# KiCad board ZVE.kicad_pcb (continued)
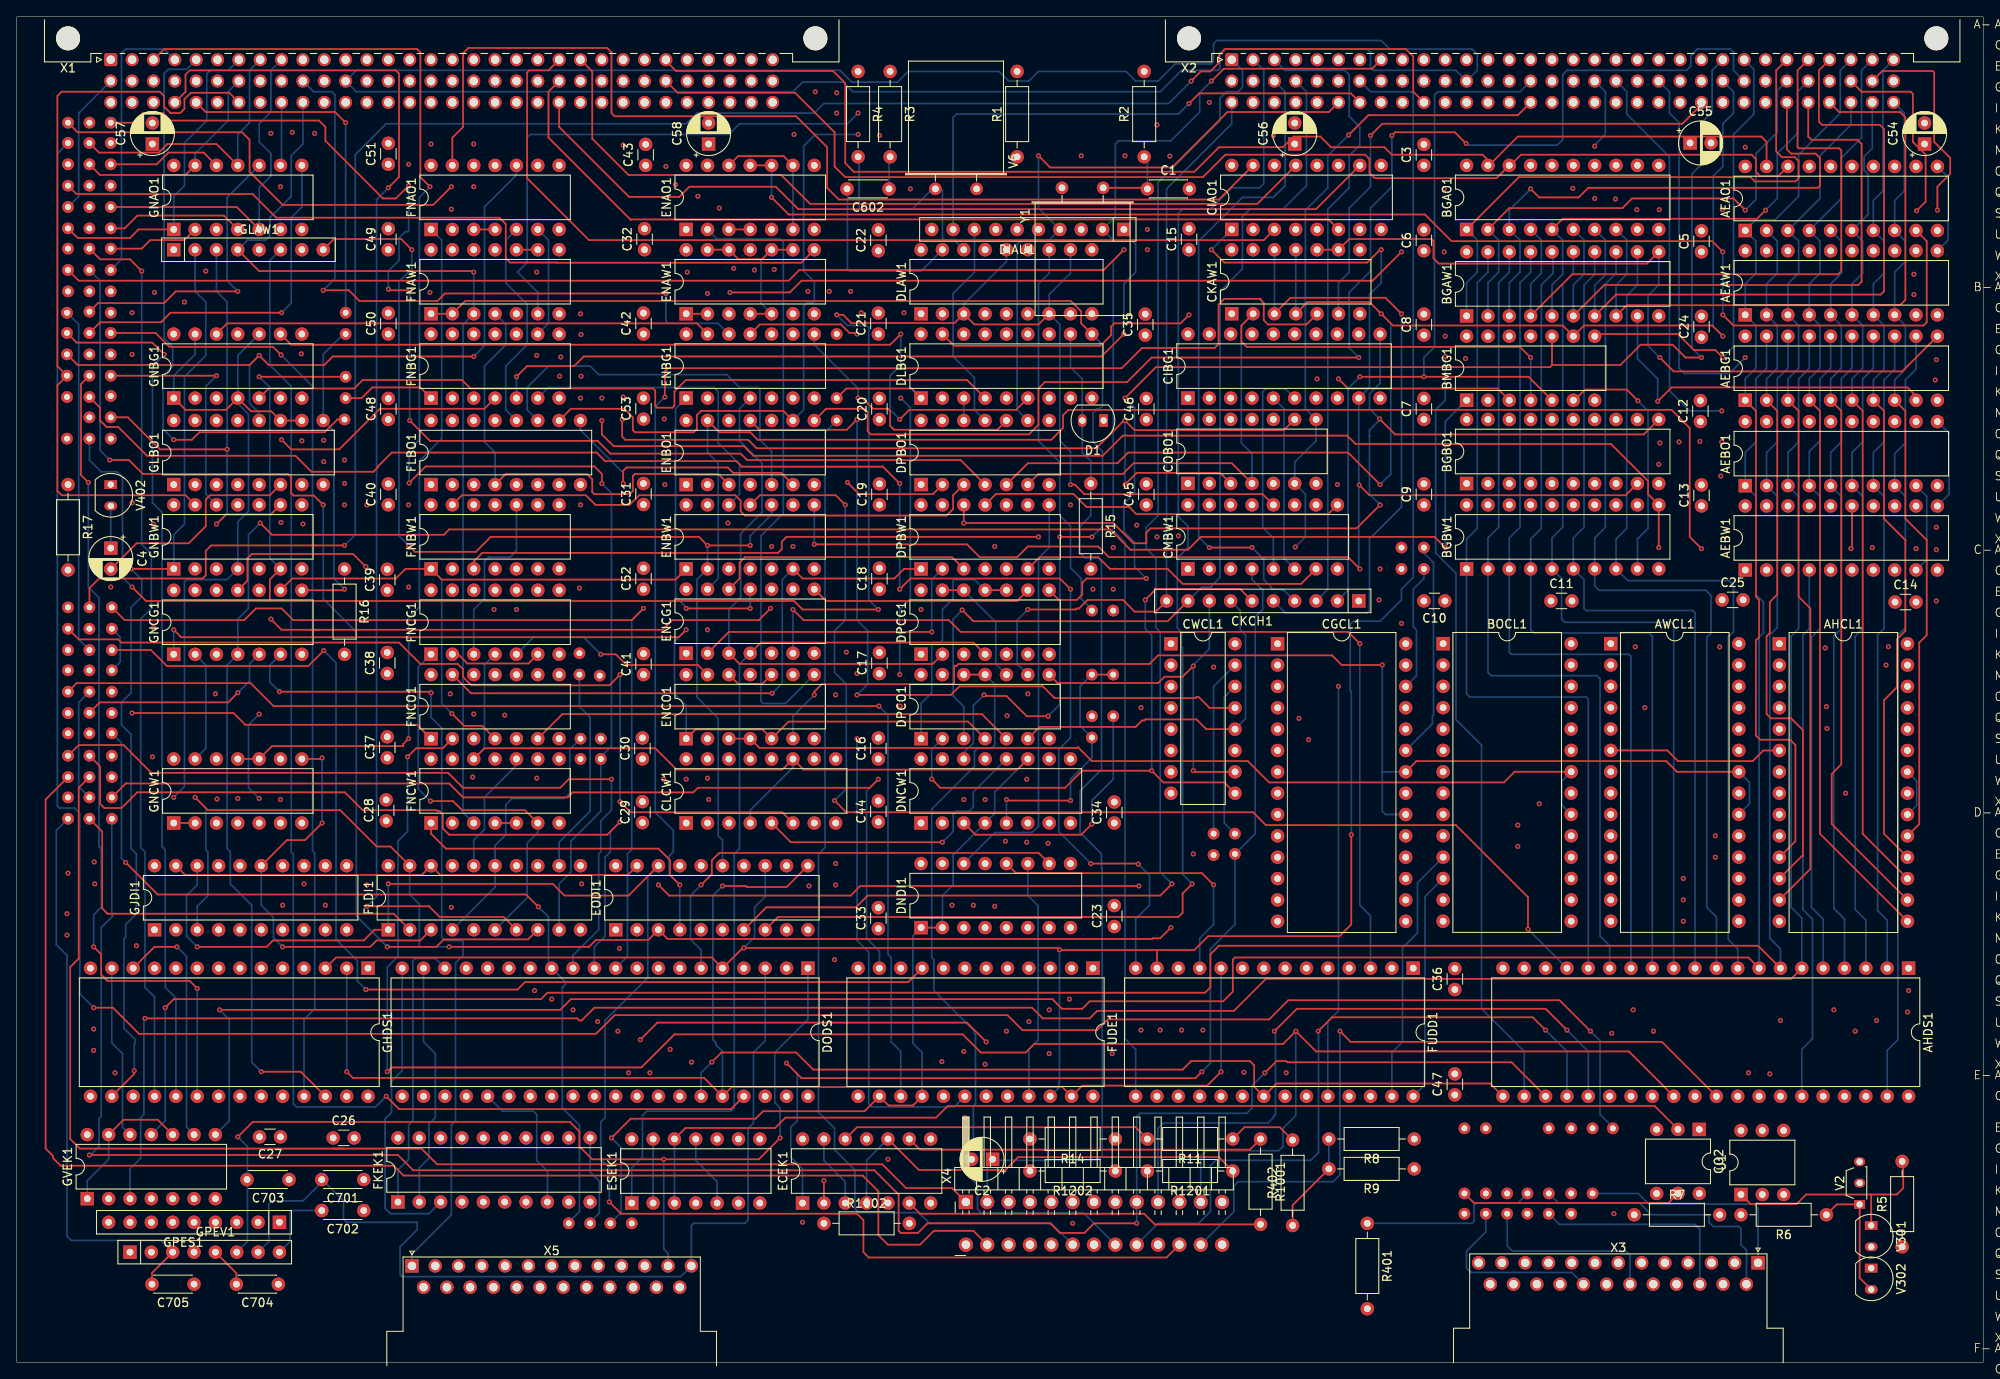
[diagram p0: board, top side]
## Routing (per net, layer and track width the routed paths; a pad name or vN(x,y) marks a point on that pad's centre or on a via; arc(x,y) is an arc through that point) (continued)
-ALE: length 75
  Top w0.2: FNCO1.4 55.37,75.7 53.21,75.7 v1(51.75,77.16) ; ENBW1.1 78.36,93.1 50.56,93.1 FNBW1.1 46.87,94.38 46.86,94.37 46.23,94.37 45.08,93.23 32.77,93.23 GNCG1.9
  Bottom w0.2: v1(51.75,77.16) 50.55,78.37 50.55,93.1 49.28,94.37
-ALEC: length 76.6
  Top w0.2: v1(121.54,143.52) 122.94,142.12 137.41,142.12 144.02,148.73 156.08,148.73 X2.c6
  Bottom w0.2: v1(121.54,143.52) 121.54,137.3 DIAU1.4 122.81,133.49 119.51,133.49 119,132.98 119,113.29 DPBO1.9
-ALES: length 112
  In4.Cu w0.2: v1(100.08,148.6) 101.85,150.38 136.27,150.38 138.05,148.6 145.8,148.6 X2.c2
  Bottom w0.2: v1(100.08,148.6) 98.81,147.33 85.98,147.33 84.71,146.06 61.09,146.06 60.71,145.68 60.71,130.82 59.56,129.68 61.98,127.26 FNAW1.6
-AUX-RESET: length 121.8
  Bottom w0.2: 115.44,19.06 115.44,23.25 116.2,24.01 128.4,24.01 128.52,24.14 128.78,24.14 129.12,24.48 129.12,58.73 129.03,58.81 129.03,60.46 126.49,63 126.49,67.95 129.03,70.49 129.03,95.26 128.65,95.64 127.13,95.64 126.49,96.28 126.49,99.45 127.76,100.72 127.76,107.2 126.75,108.21 126.75,116.98 125.35,118.37 DLBG1.11
-BCLK: length 155.6
  In1.Cu w0.2: X837.1 2.79,134.12 2.79,53.98 v1(5.97,50.81)
  In4.Cu w0.2: FLDI1.5 53.09,50.17 6.6,50.17 v1(5.97,50.81)
  Bottom w0.2: X837.1 7.37,138.69 7.37,148.6 X1.b1
-BHEN: length 150.9
  Top w0.2: COBO1.9 150.74,110.88 132.97,110.88 v1(131.83,112.02) 131.7,112.02 128.4,108.72 88.01,108.72 86.99,109.74 72.39,109.74 72.01,110.12 v1(72.01,112.15) ; v1(131.83,104.4) 133.22,105.8 143.14,105.8 COBO1.3
  In1.Cu w0.2: X1.b25 73.53,151.01 75.44,151.01 75.95,150.5 75.95,139.33 73.15,136.53 73.15,113.29 v1(72.01,112.15)
  Bottom w0.2: v1(131.83,112.02) v1(131.83,104.4)
-BPRN: length 166.6
  Top w0.2: v1(46.67,104.59) 48.64,106.56 68.71,106.56 69.6,105.67 v1(69.6,104.53) ; v1(49.15,139.84) 48.01,140.98 48.01,155.84 47.62,156.22 17.53,156.22 X1.a3
  Bottom w0.2: v1(69.6,104.53) 70.74,103.39 70.74,73.29 69.47,72.02 69.47,65.54 65.91,61.99 65.91,58.3 64.52,56.91 FLDI1.9 ; v1(46.67,104.59) 46.67,108.53 47.88,109.74 47.88,138.57 v1(49.15,139.84)
-BPRO: length 33.4
  Bottom w0.2: X808.1 12.45,131.2 12.45,155.71 12.95,156.22 17.53,156.22 X1.a4
-BREQ: length 149.2
  Top w0.2: X1.c4 20.07,151.14 20.07,153.17 20.57,153.68 45.08,153.68 45.47,153.3 45.47,140.98 v1(44.2,139.71) ; v1(41.66,54.24) 49.02,54.24 50.29,52.97 57.91,52.97 FLDI1.7
  Bottom w0.2: v1(44.2,139.71) 42.8,138.31 42.8,55.38 v1(41.66,54.24)
-BUSY: length 151.4
  In1.Cu w0.2: FLDI1.11 68.33,60.33 68.33,100.72 v1(67.06,101.99) ; X1.b3 17.34,151.33 17.34,126.69 16.26,125.61 v1(16.26,99.7)
  In4.Cu w0.2: v1(16.26,99.7) 17.78,98.18 50.8,98.18 51.82,97.16 56.26,97.16 57.4,98.31 61.98,98.31 64.52,100.85 65.91,100.85 v1(67.06,101.99)
-CBRQ: length 121.1
  In1.Cu w0.2: v1(16.26,87.39) 17.4,88.53 17.4,117.74 18.8,119.14 18.8,120.41 17.4,121.8 17.4,124.85 18.8,126.25 18.8,129.55 20.07,130.82 20.07,151.14 X1.b4
  In4.Cu w0.2: X734.1 65.66,85.61 53.21,85.61 51.82,87 22.48,87 21.08,88.4 17.27,88.4 v1(16.26,87.39)
-CCLK: length 74.2
  In4.Cu w0.2: X820.1 9.91,138.69 68.58,138.69 73.41,143.52 73.41,148.6 X1.c26
-CLK-T4: length 158.9
  Top w0.2: v1(172.4,144.98) 171.07,146.31 163.96,146.31 v1(163.58,145.93) ; ENBO1.8 96.27,113.42 100.84,113.42 101.22,113.04 101.22,110.75 101.6,110.37 120.4,110.37 121.54,111.52 121.54,115.83 122.3,116.6 132.08,116.6 133.29,117.8 133.22,117.74 135,119.52 v1(159.64,119.52)
  Bottom w0.2: v1(159.64,119.52) 158.5,120.66 158.5,127.26 161.04,129.8 161.04,137.3 163.58,139.84 v1(163.58,145.93) ; 172.47,144.79 183.26,144.79 183.9,145.42 183.9,153.17 184.4,153.68 198.63,153.68 199.14,154.19 199.14,155.46 199.9,156.22 203.83,156.22 204.22,155.84 204.22,153.68 X2.b25
-CS-8259: length 96.1
  In1.Cu w0.2: v1(97.41,56.78) 97.28,56.65 v1(97.28,47.89)
  In4.Cu w0.2: v1(97.41,56.78) 122.81,56.78 DNDI1.9 ; v1(97.28,47.89) 97.28,45.98 96.9,45.6 45.59,45.6 45.47,45.48 45.21,45.48 43.81,46.87 GHDS1.1
-CSC-ADR: length 98
  Top w0.2: v1(159.77,117.23) 179.83,117.23 BMBG1.5
  Bottom w0.2: X2.b15 178.82,151.14 169.04,151.14 168.66,150.76 168.66,120.79 167.39,119.52 v1(167.39,117.23) ; v1(159.77,117.23) 158.37,115.83 158.37,91.83 CKCH1.2
-CSC-DB: length 91.5
  In1.Cu w0.2: X2.a7 158.62,156.09 143.51,156.09 143.26,155.84 143.26,154.44 143,154.19 136.27,154.19 135.89,153.81 135.89,150.12 135.51,149.74 117.73,149.74 117.35,149.36 117.35,136.92 116.71,136.28 114.3,136.28 113.92,135.9 DIAU1.8
  Bottom w0.2: DIAU1.8 113.92,129.68 111.38,127.14 111.38,119.64 113.92,117.1 113.92,113.29 DPBO1.11
-CTIME: length 221.8
  In1.Cu w0.2: v1(125.6,16.52) 126.87,17.79 126.87,93.7 126.66,93.91 126.66,109.95 125.35,111.26 125.35,113.12 126.62,114.39 DIAU1.3 v1(126.62,143.52)
  In4.Cu w0.2: X4.a5 v1(125.6,16.52) ; FNAO1.9 61.98,146.31 60.71,147.58 60.71,155.84 60.96,156.09 83.19,156.09 83.57,155.71 83.57,148.35 87.12,144.79 125.35,144.79 v1(126.62,143.52)
-DAT0: length 149.9
  Top w0.2: 76.96,155.07 78.43,153.61 97.1,153.61 98.55,152.16 98.55,142.63 99.57,141.61 140.08,141.61 143,144.54 150.62,144.54 151.89,145.81 155.07,145.81 156.34,144.54 162.69,144.54 163.58,143.65 174.37,143.65 175.39,142.63 178.56,145.81 207.52,145.81 208.15,145.17 AEAO1.19
-DAT1: length 146.9
  Top w0.2: BGAO1.18 176.02,140.85 161.54,140.85 160.91,141.49 160.91,143.14 160.4,143.65 143.76,143.65 141.1,140.98 98.55,140.98 97.28,142.25 97.28,146.31 92.58,151.01 78.61,151.01 X1.b27 ; 177.93,142.63 178.94,143.65 206.38,143.65 206.88,143.14 206.88,141.61 207.39,141.11 209.55,141.11 AEAO1.18
-DAT2: length 143.5
  In4.Cu w0.2: AEAO1.17 211.84,143.65 181.36,143.65 BGAO1.17 178.82,143.65 166.37,143.65 163.07,140.34 143.64,140.34 143.26,140.73 143.26,141.61 142.75,142.12 98.93,142.12 96.9,144.15 85.47,144.15 83.57,146.06 81.03,146.06 X1.c27
-DAT3: length 155.8
  In4.Cu w0.2: AEAO1.16 214.25,140.73 184.28,140.73 BGAO1.16 180.98,140.73 165.86,140.73 164.72,139.58 143,139.58 142.62,139.96 142.62,140.98 142.11,141.49 98.68,141.49 96.65,143.52 80.77,143.52 75.95,148.35 75.95,153.04 76.58,153.68 78.49,153.68 X1.a28
-DAT4: length 158.2
  In1.Cu w0.2: BGAO1.15 185.17,139.71 v1(185.1,139.65) ; 77.22,142.38 77.22,146.06 78.49,147.33 78.49,151.14 X1.b28
  In4.Cu w0.2: v1(77.22,142.25) 78.49,140.98 93.85,140.98 96.52,138.31 183.77,138.31 v1(185.1,139.65) 185.55,140.09 216.15,140.09 AEAO1.15
-DAT5: length 159.7
  In1.Cu w0.2: X1.c28 79.76,145.42 78.36,144.03 v1(78.36,140.09) ; v1(187.71,138.44) BGAO1.14
  In4.Cu w0.2: AEAO1.14 218.06,139.46 188.72,139.46 v1(187.71,138.44) 186.94,137.68 94.61,137.68 92.2,140.09 v1(78.36,140.09)
-DAT6: length 166
  In1.Cu w0.2: v1(190.18,138.38) 190.25,138.44 BGAO1.13 ; v1(81.03,138.69) 81.03,154.05 82.04,155.07
  In4.Cu w0.2: v1(81.03,138.69) 85.98,138.69 87.63,137.04 188.85,137.04 v1(190.18,138.38) 190.63,138.82 219.96,138.82 AEAO1.13
-DAT7: length 163.6
  In1.Cu w0.2: X1.c29 83.57,148.6 v1(83.57,137.3) ; v1(192.72,137.11) 192.79,137.17 BGAO1.12
  In4.Cu w0.2: AEAO1.12 221.87,138.19 193.8,138.19 v1(192.72,137.11) 192.02,136.41 84.45,136.41 v1(83.57,137.3)
-DAT8: length 148.2
  In1.Cu w0.2: X1.a30 86.11,153.68 88.14,153.68 88.65,153.17 88.65,147.2 91.06,144.79 91.06,130.95 v1(90.11,129.99)
  In4.Cu w0.2: AEAW1.19 207.05,131.12 204.17,131.12 204.09,131.2 203.88,130.99 91.1,130.99 v1(90.11,129.99) 90.04,129.93
-DAT9: length 149.6
  In1.Cu w0.2: X1.b30 86.11,151.14 86.11,146.95 88.52,144.54 88.52,130.69 v1(87.76,129.93)
  In4.Cu w0.2: 210.95,132.47 209.04,130.57 94.11,130.57 92.2,128.66 89.03,128.66 v1(87.76,129.93)
-DATA: length 152
  In1.Cu w0.2: X1.c30 84.84,145.68 85.85,144.66 85.98,144.66 85.98,130.82 v1(85.28,130.12)
  In4.Cu w0.2: 85.22,129.93 87.76,127.39 92.2,127.39 94.74,129.93 210.95,129.93 213.49,132.47
-DATB: length 157.7
  In1.Cu w0.2: v1(92.46,146.06) 93.73,144.79 93.73,127.77 v1(94.11,127.39)
  In4.Cu w0.2: 216.03,132.47 212.85,129.3 96.01,129.3 v1(94.11,127.39) ; X1.a31 86.11,153.68 86.11,148.6 88.65,146.06 v1(92.46,146.06)
-DATC: length 156.8
  In1.Cu w0.2: v1(96.65,127.39) 96.27,127.77 96.27,143.65 95,144.92 v1(95,151.14)
  In4.Cu w0.2: v1(95,151.14) 88.65,151.14 88.39,151.39 88.45,151.33 X1.b31 ; 218.57,132.47 214.76,128.66 97.92,128.66 v1(96.65,127.39)
-DATD: length 156.6
  In1.Cu w0.2: v1(97.54,148.6) 97.54,129.04 v1(99.19,127.39)
  In4.Cu w0.2: v1(99.19,127.39) 99.82,128.03 216.66,128.03 221.11,132.47 ; v1(97.54,148.6) 88.65,148.6 X1.c31
-DATE: length 164.6
  In1.Cu w0.2: X1.a32 91.82,153.04 95.76,153.04 96.39,152.41 96.39,149.74 98.93,149.74 98.93,142.12 100.46,140.6 v1(100.46,124.85)
  In4.Cu w0.2: v1(100.46,124.85) 103,127.39 218.57,127.39 223.65,132.47
-DATF: length 163.5
  In1.Cu w0.2: v1(105.54,124.85) 101.35,129.04 101.35,150.76 101.09,151.01 v1(97.54,151.01)
  In4.Cu w0.2: 226.19,132.47 220.47,126.76 107.44,126.76 v1(105.54,124.85) ; v1(97.54,151.01) 96.39,149.87 X1.c32
-DB-CS: length 148.5
  Top w0.2: v1(195.2,114.31) 196.85,115.96 224.92,115.96 226.19,114.69
  In4.Cu w0.2: ENBG1.10 90.93,123.45 168.78,123.45 171.32,125.99 191.26,125.99 BGAW1.9
  Bottom w0.2: BGAW1.9 192.79,119.39 195.2,116.98 v1(195.2,114.31)
-F-INTA-ACK: length 84.5
  In1.Cu w0.2: FNBG1.12 53.09,121.04 53.09,98.56 55.63,96.02 55.63,91.07 50.55,85.99 50.55,80.53 v1(51.56,79.51)
  In4.Cu w0.2: v1(51.56,79.51) 86.61,79.51 87.25,80.15 87.25,81.8
-FAULT: length 116.8
  In1.Cu w0.2: DODS1.2 90.3,45.6 90.3,30.11 92.2,28.2 92.2,9.03 88.65,5.47 54.61,5.47 51.16,8.92 47.72,5.47 38.86,5.47 GPEV1.8
  Bottom w0.2: GPEV1.8 32.51,14.36 32.51,17.92 32.64,18.04 36.32,18.04
-HIGH: length 380.1
  In1.Cu w0.2: v1(9.27,56.91) 10.03,56.14 10.03,37.98 v1(9.14,37.09) ; v1(35.43,146.19) 35.43,133.87 GLAW1.7
  In4.Cu w0.2: GLAW1.7 32.64,131.07 4.95,131.07 4.45,130.57 4.45,57.41 4.95,56.91 v1(9.27,56.91) ; v1(9.14,37.09) 32.89,37.09 35.43,34.55 35.43,30.87 35.94,30.36 87.76,30.36 DODS1.38 ; v1(35.43,146.19) 35.43,156.98 36.07,157.62 91.57,157.62 91.82,157.36 91.82,154.82 92.08,154.57 97.6,154.57 97.79,154.76 97.79,155.2 98.06,155.48 135.74,155.48 136.02,155.2 136.02,154.44 136.27,154.19 143,154.19 143.26,154.44 143.26,155.84 143.51,156.09 157.99,156.09 158.5,155.58 158.5,151.52 158.88,151.14 163.58,151.14 X2.c9
-INIT: length 117.8
  Top w0.2: GLAW1.4 28.83,129.8 54.23,129.8 v1(54.36,129.68)
  Bottom w0.2: FNCW1.3 53.09,65.41 53.09,123.45 FNAW1.3 v1(54.36,129.68) ; GLAW1.4 27.43,133.49 29.59,133.49 30.1,133.99 30.1,136.15 32.64,138.69 32.64,143.52 34.04,144.92 X1.c10
-INT0: length 38.1
  Top w0.2: X838.1 7.24,133.74 13.46,133.74 14.48,134.76 GNAO1.1
  Bottom w0.2: X1.a7 25.15,153.68 22.99,153.68 22.61,153.3 22.61,147.71 19.94,145.04 19.94,139.96 18.67,138.69 GNAO1.1
-INT1: length 25.8
  Top w0.2: X819.1 9.91,141.23 20.07,141.23 GNAO1.13
  Bottom w0.2: GNAO1.13 21.21,143.77 25.15,147.71 25.15,151.14 X1.b7
-INT2: length 90.7
  Top w0.2: X1.c7 25.27,151.01 20.7,151.01 19.94,150.25 19.94,149.11 19.43,148.6 18.29,148.6 17.53,149.36 17.53,150.63 17.02,151.14 5.33,151.14 4.83,150.63 4.83,118.5 X845.1 4.83,116.21 4.83,103.64 5.33,103.13 20.08,103.13 GNBW1.13
-INT3: length 33.3
  Top w0.2: X818.1 9.78,143.9 16.89,143.9 17.91,144.92 23.75,144.92 GNAO1.11
  Bottom w0.2: X1.a8 27.69,153.68 27.69,147.46 26.29,146.06 GNAO1.11
-INT4: length 36
  In1.Cu w0.2: X1.b8 27.81,151.27 27.81,148.09 25.02,145.3 25.02,136.03 GNAO1.3
  In4.Cu w0.2: GNAO1.3 22.35,136.15 9.91,136.15 X821.1
-INT5: length 80.4
  In1.Cu w0.2: X1.c8 28.96,147.08 27.56,145.68 27.56,103.27 GNBW1.11
  In4.Cu w0.2: X846.1 5.97,112.53 7.24,111.26 7.24,103.64 7.62,103.26 25.03,103.26 GNBW1.11
-INT6: length 41.2
  Top w0.2: X805.1 26.16,137.42 GNAO1.5
  Bottom w0.2: GNAO1.5 28.83,139.71 30.23,141.11 30.23,143.77 28.83,145.17 28.83,147.33 30.23,148.73 30.23,153.68 X1.a9
-INT7: length 28.7
  In4.Cu w0.2: X802.1 13.59,145.04 14.99,143.65 30.1,143.65 GNAO1.9
  Bottom w0.2: X1.c9 31.5,142.5
-INTA: length 139.8
  In1.Cu w0.2: GJDI1.14 35.01,62.45 35.01,68.55 35.05,68.59 35.05,98.69 v1(34.04,99.7) 32.89,100.85 30.97,100.85 30.23,101.59 v1(30.23,146.19)
  In4.Cu w0.2: v1(34.04,99.7) 51.56,99.7 52.96,98.31 54.99,98.31 56.13,99.45 61.97,99.45 64.52,102 ; X1.c3 19.94,146.19 v1(30.23,146.19)
-INTA-CYCLE: length 71
  Top w0.2: 51.82,81.8 54.04,79.57 v1(89.85,79.57) ; ENBW1.6 93.47,93.23 104.39,93.23 105.54,94.37 DPBW1.1
  Bottom w0.2: ENBW1.6 91.06,93.1 91.06,80.78 v1(89.85,79.57)
-IO-RD: length 267.2
  Top w0.2: 135.64,49.03 124.08,49.03 v1(124.04,49.07) 123.83,49.29 v1(86.49,49.29) 86.36,49.29 DODS1.5 82.68,48.14 37.97,48.14 GHDS1.3 ; 135.64,49.03 FUDD1.13 ; 135.64,49.03 140.08,49.03 141.73,50.68 157.35,50.68 158.75,52.08 v1(158.75,62.75)
  Bottom w0.2: v1(124.04,49.07) 124.04,33.24 123.95,33.16 123.95,32.65 FUDE1.22 ; v1(86.49,49.29) 87.76,50.56 87.76,54.11 89.03,55.38 EODI1.13 ; v1(158.75,62.75) 158.75,79.77 158.62,79.89 158.62,87.77 159,88.15 162.18,88.15 164.72,90.69 164.72,91.96 166.12,93.35 166.12,150.89 165.86,151.14 161.04,151.14 X2.b7
-IO-WT: length 288
  Top w0.2: v1(143.26,34.55) 141.61,32.9 126.75,32.9 FUDE1.23 124.38,32.73 85.05,32.73 DODS1.36 81.75,33.83 39.97,33.83 v1(39.24,34.55) ; v1(83.95,56.65) 86.74,56.65 86.87,56.52 91.57,56.52 EODI1.11
  In1.Cu w0.2: X2.b10 166.31,151.33 166.31,149.68 166.29,149.66 166.29,90.1 166.32,90.07 166.32,64.48 165.89,64.05 163.61,64.05 149.99,50.43 146.81,50.43 FUDD1.10
  Bottom w0.2: FUDD1.10 v1(143.26,34.55) ; DODS1.36 83.95,36.97 83.19,37.73 83.19,37.98 82.8,38.36 82.8,55.51 v1(83.95,56.65) ; GHDS1.2 v1(39.24,34.55)
-IORC: length 128.3
  In1.Cu w0.2: X1.c1 9.91,148.6 9.91,117.21 8.78,116.09 5.33,116.09 4.19,114.94 4.19,106.82 4.06,106.69 4.06,60.21 v1(6.1,58.18) ; v1(34.16,56.91) GJDI1.13
  In4.Cu w0.2: v1(6.1,58.18) 11.68,58.18 12.95,56.91 v1(34.16,56.91)
-IOWC: length 124.4
  In1.Cu w0.2: GJDI1.11 40.39,60.21 40.39,96.15 45.47,101.23 45.47,141.36 v1(46.61,142.5)
  In4.Cu w0.2: v1(46.61,142.5) 45.34,143.77 41.53,143.77 40.51,144.79 18.92,144.79 17.65,146.06 14.22,146.06 13.72,146.57 X1.c2
-LB-ADR: length 48.8
  Top w0.2: FLDI1.3 48.01,50.17 42.8,50.17 42.04,49.41 v1(31.62,49.41) ; GNCW1.8 36.19,71.76 v1(36.32,71.89) ; v1(36.32,64.14) 34.29,62.11 32.13,62.11 GJDI1.15
  Bottom w0.2: v1(36.32,71.89) v1(36.32,64.14) ; v1(31.62,49.41) 30.52,50.51 30.52,52.93 29.08,54.37 GJDI1.15
-LB-INTA: length 240
  Top w0.2: v1(29.08,34.55) 33.78,34.55 GHDS1.26 ; v1(169.93,96.91) 168.66,98.18 140.84,98.18 139.32,96.66 132.46,96.66 130.05,99.07 51.44,99.07 50.8,98.43 30.35,98.43 v1(28.96,99.83)
  Bottom w0.2: v1(169.93,96.91) 169.93,111.9 BMBG1.1 ; v1(28.96,99.83) 27.56,98.43 27.56,89.67 26.29,88.4 GNCG1.4 25.02,82.94 25.02,61.1 25.4,60.72 25.4,56.91 27.94,54.37 27.94,35.7 v1(29.08,34.55)
-LB-INTA-DEN: length 121.6
  In1.Cu w0.2: v1(51.69,137.17) 50.55,136.03 50.55,128.41 53.09,125.87 53.09,123.58 FNBG1.13
  In4.Cu w0.2: ENAO1.2 79.76,137.17 v1(51.69,137.17)
  Bottom w0.2: ENAO1.2 83.31,133.61 90.8,133.61 91.19,133.23 91.19,100.97 88.52,98.31 88.52,78.62 88.77,78.37 91.44,78.37 94.87,81.8
-LB-ZPS-ACK: length 125
  Top w0.2: v1(139.45,149.74) 140.65,150.94 158.69,150.94 X2.c7
  In4.Cu w0.2: DIAU1.9 110.11,133.49 72.01,133.49 69.47,136.03 53.09,136.03 FNAO1.2
  Bottom w0.2: DIAU1.9 111.38,148.09 111.76,148.47 138.18,148.47 v1(139.45,149.74)
-LB-ZPS-REQ: length 271.7
  Top w0.2: 200.53,119.52 198.5,119.52 196.98,121.04 193.17,121.04 190.75,118.63 182.63,118.63 ; 182.63,118.63 182.37,118.37 135.51,118.37 v1(131.83,114.69) ; 182.63,118.63 BMBG1.10 ; v1(134.37,93.23) 127.25,93.23 126.75,92.72 126.75,91.32 126.11,90.69 123.95,90.69 123.95,90.7 DPCG1.8
  In1.Cu w0.2: GNCW1.9 v1(31.37,66.94) ; v1(120.14,69.35) 121.54,70.75 121.54,90.57 DPCG1.8
  In4.Cu w0.2: v1(31.37,66.94) 40.13,66.94 41.4,65.67 50.55,65.67 51.69,66.81 66.93,66.81 68.2,68.08 98.81,68.08 101.35,65.54 108.71,65.54 112.39,69.22 120.02,69.22 v1(120.14,69.35)
  Bottom w0.2: X2.a24 201.68,153.68 201.68,148.73 200.41,147.46 200.41,142.5 199.26,141.36 199.26,120.66 v1(200.41,119.52) ; v1(134.37,93.23) 132.97,94.62 132.97,97.55 131.7,98.82 131.7,102.12 132.97,103.39 132.97,113.55 v1(131.83,114.69)
-LBC-MCE: length 157.2
  Top w0.2: GVEK1.10 16.77,28.84 12.69,28.84 GVEK1.13
  In1.Cu w0.2: GVEK1.10 20.32,28.85 20.32,41.79 17.65,44.46 17.65,60.84 17.27,61.22 17.27,70.88 v1(16.13,72.02) ; v1(66.93,92.08) 65.93,91.08 65.93,73.18 64.52,71.76
  In4.Cu w0.2: ENBW1.4 86.11,93.23 68.07,93.23 v1(66.93,92.08) ; 64.52,71.76 63.37,70.62 17.53,70.62 v1(16.13,72.02)
  Bottom w0.2: GVEK1.13 10.92,24.14 8.38,21.6 GVEK1.1
-LOCK: length 234.8
  Top w0.2: FNCO1.2 50.67,73.03 47.5,73.03 v1(46.48,72.02) ; v1(44.07,34.55) 44.58,35.06 74.3,35.06 78.23,39 112.52,39 114.68,36.84 120.02,36.84 121.03,37.86 150.62,37.86 v1(152.15,39.38) 154.56,36.97 191.77,36.97 AHDS1.29
  Bottom w0.2: v1(46.48,72.02) 46.48,63.13 45.34,61.99 45.34,48.27 44.07,47 v1(44.07,34.55) ; v1(152.15,39.38) 152.15,29.35 150.62,27.82 150.62,25.66 150.11,25.16 141.48,25.16 140.84,24.52 140.84,19.06
-LOW: length 323.5
  Top w0.2: v1(43.94,31.63) 45.47,30.11 84.96,30.11 DODS1.37
  In1.Cu w0.2: v1(32.77,146.31) 32.77,133.74 GLAW1.6
  In4.Cu w0.2: v1(32.77,146.31) 32.77,157.74 33.27,158.25 92.2,158.25 92.58,157.87 92.58,155.46 92.84,155.2 97.03,155.2 97.28,155.46 97.28,155.71 97.66,156.09 136.4,156.09 136.65,155.84 136.65,154.95 136.91,154.7 142.49,154.7 142.75,154.95 142.75,156.35 143,156.6 160.4,156.6 161.04,155.97 161.04,153.68 X2.b8
  Bottom w0.2: GLAW1.6 30.1,131.07 30.1,118.63 32.64,116.09 32.64,60.72 32.89,60.46 32.89,30.74 33.27,30.36 42.67,30.36 v1(43.94,31.63)
-MBHEN: length 175.5
  Top w0.2: X2.c15 178.56,148.35 160.78,148.35 158.5,146.06
  In4.Cu w0.2: FNBW1.5 60.59,93.23 62.74,93.23 63.25,93.74 63.25,95.64 64.64,97.04 74.68,97.04 75.95,98.31 85.85,98.31 86.49,98.94 99.31,98.94 99.95,98.31 119,98.31 120.4,96.91 124.97,96.91 126.24,95.64 148.08,95.64 149.42,96.97 v1(152.08,96.97)
  Bottom w0.2: v1(152.08,96.97) 153.29,98.18 153.29,103.27 COBO1.6 152.02,107.07 154.56,109.61 COBO1.8 153.43,113.29 153.29,113.29 153.29,137.04 155.96,139.71 155.96,143.52 v1(158.43,146)
-MEM-RD: length 158.6
  Top w0.2: v1(137.41,56.91) 136.02,55.51 101.22,55.51 99.82,54.11 89.15,54.11 EODI1.7
  Bottom w0.2: X2.a1 145.8,153.68 145.8,151.65 145.29,151.14 143.89,151.14 143.13,150.38 143.13,147.71 135.76,140.34 135.76,100.72 134.37,99.32 134.37,96.78 135.51,95.64 135.51,87.39 136.02,86.88 136.02,58.3 v1(137.41,56.91)
-MRDC: length 140.3
  In1.Cu w0.2: v1(31.62,54.37) GJDI1.7
  In4.Cu w0.2: X1.a1 5.33,154.95 4.83,154.44 4.83,146.44 4.45,146.06 3.05,146.06 2.54,145.55 2.54,54.62 2.79,54.37 v1(31.62,54.37)
-MWTC: length 144.6
  In1.Cu w0.2: GJDI1.9 v1(36.7,54.37)
  In4.Cu w0.2: X1.a2 12.32,153.55 7.49,153.55 7.24,153.3 7.24,144.03 6.86,143.65 3.81,143.65 3.43,143.27 3.43,56.14 3.94,55.64 32.89,55.64 34.16,54.37 v1(36.7,54.37)
-NMI-DIS: length 83.5
  In4.Cu w0.2: X923.1 7.24,90.94 15.75,90.94 16.13,91.32 16.13,95.39 16.51,95.77 60.71,95.77 64.52,99.58 72.14,99.58 73.41,100.85 81.03,100.85 ENBW1.13
-NMIOR: length 44.4
  In4.Cu w0.2: FNBG1.2 50.67,115.83 22.99,115.83 22.48,115.33 22.48,113.93 21.97,113.42 17.4,113.42 13.84,109.86 X816.1
-OVERRIDE: length 105.7
  Top w0.2: v1(13.72,77.23) 25.78,77.23 27.18,75.83 47.62,75.83 FNCO1.1
  In1.Cu w0.2: v1(13.72,77.23) 15.28,75.66 15.28,43.61 15.24,43.57 16.51,42.3 16.51,40.65 17.65,39.51 17.65,29.47 17.27,29.09 17.27,14.36 GPEV1.2
  In4.Cu w0.2: X906.1 v1(13.72,77.23)
-PFIN: length 70.8
  Top w0.2: v1(18.67,109.74) 20.83,109.74 21.72,110.63 36.62,110.63 38.14,112.15 X744.1
  Bottom w0.2: v1(18.67,109.74) 17.4,111.01 17.4,117.36 18.54,118.5 18.54,120.79 17.53,121.8 17.53,153.3 18.03,153.81 20.19,153.81 X1.a5
-PROM-IO: length 84.2
  Top w0.2: GNCW1.11 GNCW1.10 30.35,73.29 45.97,73.29 45.97,73.54 v1(46.61,74.18)
  Bottom w0.2: FNAO1.1 50.55,133.49 50.55,109.86 47.88,107.2 47.88,89.8 46.61,88.53 v1(46.61,74.18)
-PROM-LOCK: length 193
  In1.Cu w0.2: v1(56.77,89.54) 53.09,85.86 53.09,80.4 55.75,77.73 55.75,76.59 54.36,75.19 FNCO1.3
  In4.Cu w0.2: CKCH1.3 152.02,88.02 58.29,88.02 v1(56.77,89.54)
  Bottom w0.2: CKCH1.3 155.96,91.96 155.96,137.17 158.5,139.71 158.5,143.52 159.77,144.79 159.77,146.95 158.5,148.22 158.5,153.17 157.99,153.68 150.88,153.68 X2.a3
-RDY2C: length 137.6
  In1.Cu w0.2: DIAU1.6 119,131.58 116.4,128.98 116.4,119.71 113.92,117.23 113.92,111.74 107.57,105.39 DPBO1.1 106.43,103.26 106.43,28.97 106.93,28.46 109.6,28.46 109.98,28.08 109.98,21.6 114.93,21.6 116.71,19.82 116.71,18.3 117.35,17.66 121.67,17.66 123.06,19.06
-RDYIC: length 148.5
  In1.Cu w0.2: X4.a7 126.75,15.38 108.97,15.38 107.44,16.9 107.44,27.31 107.06,27.7 104.14,27.7 103.89,27.95 103.89,105.8 DPBO1.13 111.38,113.29 111.38,127.9 114.05,130.57 114.05,132.98 114.55,133.49 115.19,133.49 DIAU1.7
-RESET: length 47.4
  Top w0.2: FNCW1.6 60.45,65.67 52.96,65.67 51.88,66.75 v1(49.21,66.75)
  Bottom w0.2: v1(49.21,66.75) 47.75,68.21 47.75,82.7 FNCG1.1 ; FNCW1.6 61.98,63 60.71,61.73 60.71,55.25 FLDI1.6
-S0: length 355.9
  Top w0.2: v1(133.48,56.65) 100.33,56.65 99.19,55.51 77.6,55.51 v1(76.33,56.78) ; GJDI1.19 20.02,57.96 48.18,57.96 FLDI1.18 50.38,57.96 72.69,57.96 EODI1.19
  In1.Cu w0.2: v1(77.09,104.4) 75.69,103.01 75.69,60.97 EODI1.19 76.07,56.78 v1(76.33,56.78) ; X4.a10 136.91,15.13 136.91,27.94 134.37,30.49 134.37,37.86 v1(136.02,39.51) 134.49,41.03 134.49,55.64 v1(133.48,56.65) ; v1(215.14,84.97) 215.77,85.61 AEBW1.5 ; 189.74,31.89 189.74,43.06 190.75,44.08 190.75,47.76 192.53,49.54 v1(192.53,85.1)
  In4.Cu w0.2: v1(189.74,39.13) 188.85,38.24 137.29,38.24 v1(136.02,39.51) ; v1(215.14,84.97) 213.53,86.58 194.01,86.58 v1(192.53,85.1) ; v1(77.09,104.4) ENBO1.1
-S1: length 381.5
  Top w0.2: v1(137.29,51.7) 136.02,50.43 135.13,50.43 135.04,50.34 77.43,50.34 EODI1.3 75.12,50.24 68.9,50.24 68.07,49.41 v1(51.44,49.41) ; v1(21.21,67.19) 22.73,65.67 38.48,65.67 42.8,61.35 44.45,61.35 FLDI1.19
  In1.Cu w0.2: AEBW1.6 219.71,92.85 219.71,90.81 220.09,90.43 220.09,60.46 216.15,56.52 v1(216.15,41.92) ; ENBO1.2 80.9,103.13 80.9,100.59 78.11,97.8 78.11,68.46 76.83,67.19 76.83,62.11 77.6,61.35 77.6,55.13 76.33,53.86 EODI1.3 ; 138.3,19.06 138.3,28.46 136.91,29.85 136.91,37.86 v1(138.56,39.51) 136.91,41.16 136.91,51.32 v1(137.29,51.7) ; AHDS1.27 192.02,41.67 v1(192.28,41.92)
  In4.Cu w0.2: v1(138.56,39.51) 140.33,41.28 165.48,41.28 166.12,41.92 v1(192.28,41.92) v1(216.15,41.92)
  Bottom w0.2: FLDI1.19 46.74,55.64 47.88,54.49 47.88,49.54 48.01,49.41 v1(51.44,49.41) ; GJDI1.3 21.46,54.24 22.73,55.51 22.73,60.72 22.48,60.97 22.48,65.92 v1(21.21,67.19)
-S2: length 359.7
  Top w0.2: FLDI1.1 42.55,51.44 41.28,50.17 30.48,50.17 29.72,49.41 v1(21.46,49.41) ; v1(70.48,19.06) 71.88,17.66 99.95,17.66 100.71,16.9 100.71,13.09 101.35,12.46 136.78,12.46 X4.a11 ; v1(44.2,56.91) 63.75,56.91 65.15,55.51 72.77,55.51 EODI1.18
  In1.Cu w0.2: AEBW1.7 220.85,58.09 218.82,56.06 218.82,53.73 218.69,53.6 v1(218.69,39.38) ; AHDS1.28 194.56,39.25 v1(194.69,39.38) ; X4.a11 139.45,15.12 139.45,17.41 139.45,17.42 139.45,37.86 v1(141.1,39.51)
  In4.Cu w0.2: v1(141.1,39.51) 142.24,40.65 191.26,40.65 192.53,39.38 v1(194.69,39.38) v1(218.69,39.38)
  Bottom w0.2: 20.19,55.65 20.19,50.68 ; 20.19,50.68 v1(21.46,49.41) ; 20.19,50.68 20.19,50.81 ; 20.32,55.64 21.46,56.78 GJDI1.18 ; FLDI1.1 v1(44.2,56.91) ; EODI1.18 75.06,57.79 75.06,45.73 70.99,41.67 71.06,41.73 69.98,40.65 69.98,29.09 69.47,28.58 69.47,24.14 70.48,23.12 v1(70.48,19.06)
-SB-AEN: length 198.5
  In1.Cu w0.2: COBO1.1 138.22,105.64 138.22,146.23 v1(141.86,149.87) ; v1(125.35,101.99) 124.08,103.26 124.08,113.42 DLBG1.7 ; ENBG1.3 85.98,113.42 85.98,104.12 86.84,103.26 91.06,103.26 ENBW1.9
  In4.Cu w0.2: X2.c13 173.74,151.14 171.7,151.14 171.2,150.63 171.2,148.73 170.81,148.35 156.59,148.35 155.96,148.98 155.96,150.76 155.57,151.14 143.13,151.14 v1(141.86,149.87) ; COBO1.1 138.17,103.39 133.22,103.39 131.83,101.99 v1(125.35,101.99) 124.21,103.13 93.47,103.13 ENBW1.9 91.02,103.3 63.28,103.3 FNBW1.9
-SB-DA-CS: length 152.9
  In1.Cu w0.2: v1(169.8,132.09) v1(169.8,139.58)
  In4.Cu w0.2: v1(169.8,132.09) 171.07,133.36 191.39,133.36 BGAO1.9 194.18,133.36 226.69,133.36 227.2,132.85 227.2,125.87 AEAW1.9 ; ENAO1.8 96.31,140.94 141.65,140.94 141.99,140.6 141.99,139.33 142.37,138.95 168.78,138.95 169.42,139.58 v1(169.8,139.58)
-SB-MODE-C: length 206.3
  Top w0.2: v1(162.12,112.21) 163.96,110.37 193.55,110.37 BGBO1.11 ; v1(162.18,101.99) 159.38,99.2 134.87,99.2 134.37,98.69 134.37,97.42 132.84,97.42 130.43,99.83 v1(112.65,99.83) DPBW1.12
  In1.Cu w0.2: FNAO1.11 56.9,140.09 60.71,136.28 60.71,130.82 v1(61.85,129.68) ; v1(84.58,99.83) 83.44,100.97 83.44,110.75 ENBO1.12 83.44,113.29 83.44,115.83 80.9,118.37 80.9,128.53 v1(79.76,129.68)
  In4.Cu w0.2: v1(84.58,99.83) v1(112.65,99.83) ; v1(79.76,129.68) v1(61.85,129.68)
  Bottom w0.2: v1(162.18,101.99) 160.91,103.26 160.91,110.25 160.91,110.12 160.91,110.88 162.18,112.15 v1(162.12,112.21) 160.91,113.42 160.91,115.2 162.18,116.47 CIBG1.11
-SB-RAM-DATA: length 98.5
  In1.Cu w0.2: X2.c8 161.04,151.14 161.04,155.84 160.27,156.6 143,156.6 142.75,156.35 142.75,154.95 142.49,154.7 115.95,154.7 115.57,154.31 115.57,137.8 115.06,137.3 111.38,137.3 DIAU1.10